# Altium PCB InfraredModule.PcbDoc
Units mm, origin at the board's own origin, x right, y up, seen from the top; angles counter-clockwise.
Board outline 30 x 15 mm, 2 copper layers (Top Layer, Bottom Layer); 36 components, 29 nets, 122 pads, 60 vias.
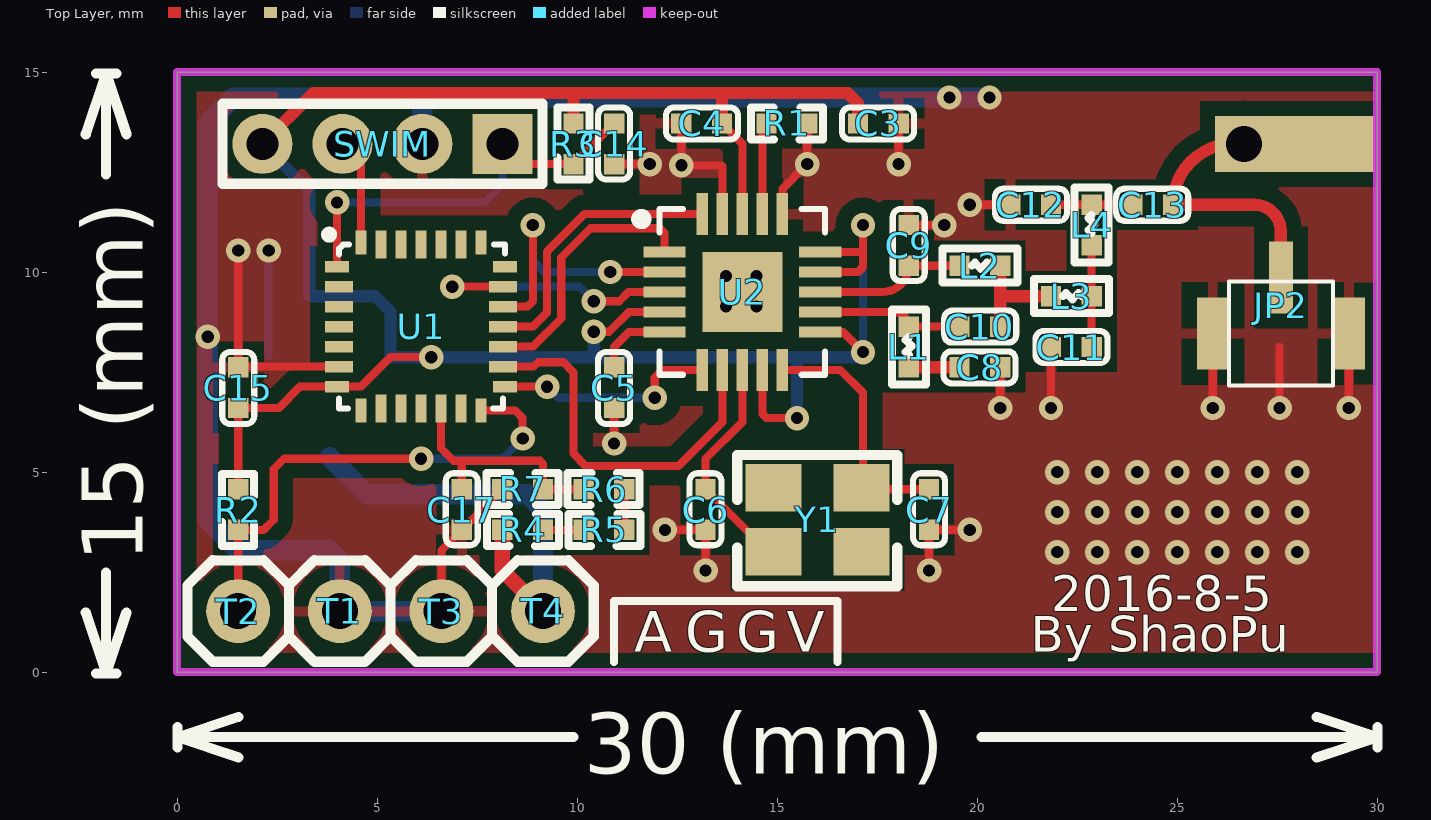
[diagram p0: Top Layer view]
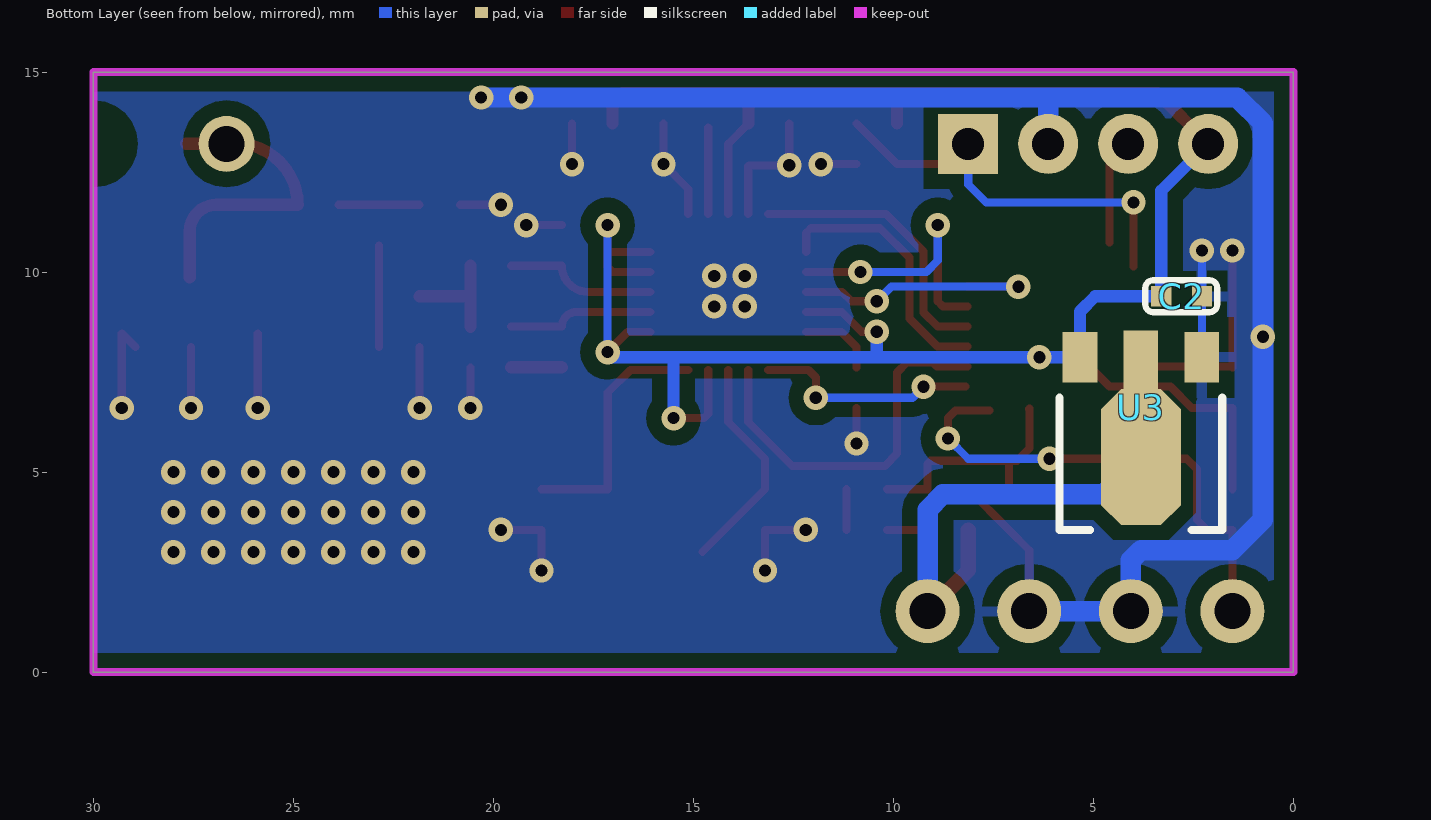
[diagram p1: Bottom Layer view, seen from below]
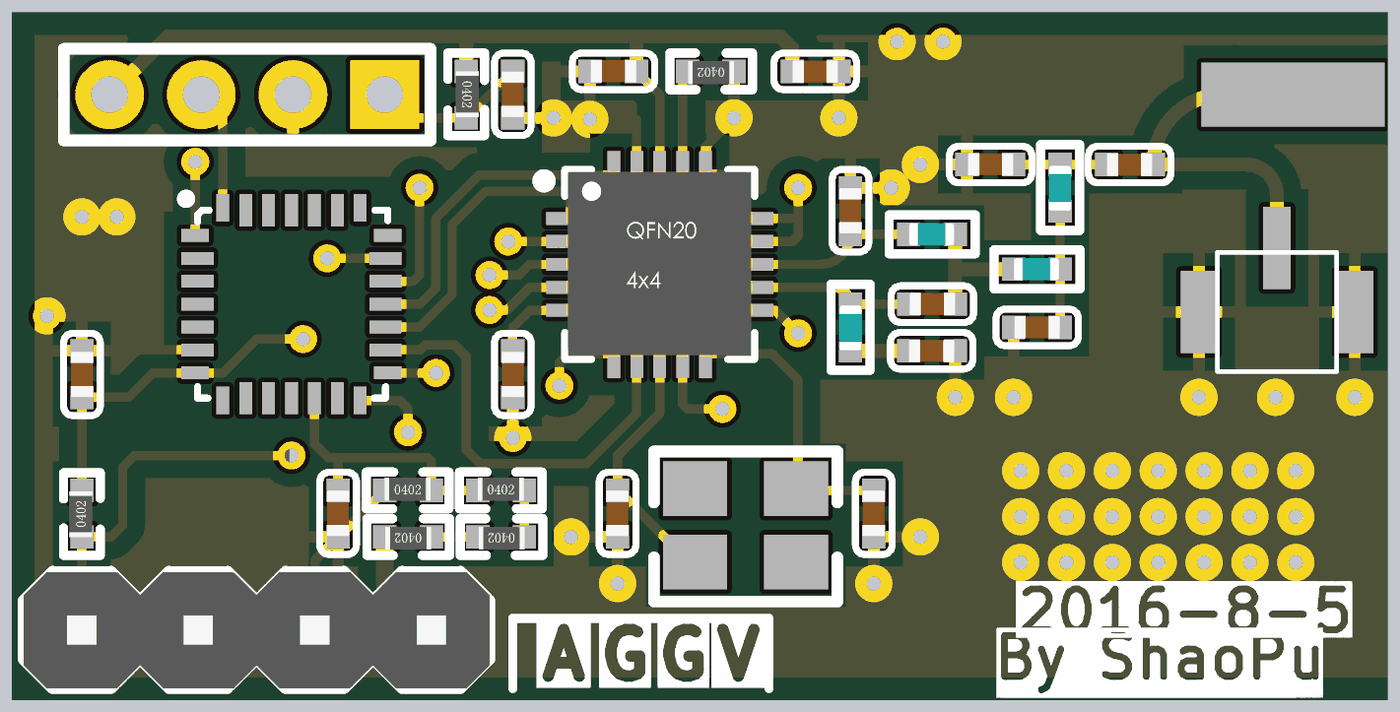
[diagram p2: 3D render of the assembled board from above, using the file's embedded part models]

## Layer stack, top to bottom
Top Layer: signal copper 0.0356
Dielectric: dielectric 0.32, FR-4, Dk 4.8
Bottom Layer: signal copper 0.0356

## Board outline
0,15 30,15 30,0 0,0

## Design rules (kind name [scope] priority, off if disabled: settings)
Clearance "InPolygon TO InPolygon" [IsRegion vs InPolygon] p1: gap=0.762
Clearance Clearance_InPolygon [InPolygon] p2: gap=0.381
Clearance Clearance_IsKeepOut [IsKeepOut] p3: gap=0.152
Clearance Clearance_IsPad [IsPad] p4: gap=0.152
Clearance Clearance_IsVia [IsVia] p5: gap=0.152
Clearance [All] p6: gap=0.152
ComponentClearance [All] p1 off: gap=0.254 collisioncheckmode=3 verticalgap=0.254 showdistances=FALSE
HoleSize [All] p1: absolutevalues=TRUE maxlimit=5.08 minlimit=0.152 maxpercent=80.000 minpercent=20.000
HoleToHoleClearance [All] p1 off: gap=0.254 allowstackedmicrovias=TRUE
MinimumSolderMaskSliver [All] p1 off: minsoldermaskwidth=0.254
PlaneClearance [All] p1: clearance=0.305
PlaneConnect PlaneConnect_IsVia [IsVia] p1: planeconnectstyle=Direct reliefexpansion=0.508 reliefentries=4 reliefconductorwidth=0.254 reliefairgap=0.254
PlaneConnect [All] p2: planeconnectstyle=Relief reliefexpansion=0.508 reliefentries=4 reliefconductorwidth=0.254 reliefairgap=0.254
PolygonConnect PolygonConnect_Direct [InNetClass('去除地')] p1: connectstyle=Direct reliefconductorwidth=0.254 reliefentries=4 polygonreliefangle="90 Angle"
PolygonConnect PolygonConnect_IsVia [IsVia] p2: connectstyle=Direct reliefconductorwidth=0.254 reliefentries=4 polygonreliefangle="90 Angle"
PolygonConnect PolygonConnect_IsThruPin [IsThruPin vs InNet('GND')] p3: connectstyle=Relief reliefconductorwidth=0.254 reliefentries=4 polygonreliefangle="90 Angle"
PolygonConnect PolygonConnect_IsSMTPin [IsSMTPin vs InNet('GND')] p4: connectstyle=Relief reliefconductorwidth=0.254 reliefentries=4 polygonreliefangle="90 Angle"
RoutingVias [All] p1: holewidth=0.305 width=0.61 viastyle="Through Hole" minholewidth=0.305 minwidth=0.61 maxholewidth=5.08 maxwidth=12.7
SilkToSilkClearance [All] p1 off: silktosilkclearance=0.254
SilkscreenOverComponentPads [All] p1 off: minsilkscreentomaskgap=0.254
SolderMaskExpansion [All] p1: expansion=0.102
Width [All] p1: maxlimit=12.7 minlimit=0.152 preferedwidth=0.254
20 further rules are at their usual default settings.

## Components (designator, comment, footprint, x,y, rotation, side; value= is the part's Value field where it differs from the comment)
C2 "104" C0402 3.302,9.398 r180 bottom
C3 "104" C0402 17.018,13.716 r0 top
C4 "104" C0402 13.619,13.716 r180 top
C5 "104" C0402 10.922,6.604 r90 top
C6 "12pF" C0402 13.208,4.572 r270 top
C7 "15pF" C0402 18.796,4.572 r270 top
C8 "220pF" C0402 19.558,7.62 r0 top
C9 "3.9pF" C0402 18.288,11.176 r270 top
C10 "3.9pF" C0402 20.574,8.636 r180 top
C11 "8.2pF" C0402 22.86,8.128 r180 top
C12 "5.6pF" C0402 21.844,11.684 r180 top
C13 "220pF" C0402 23.876,11.684 r0 top
C14 "104" C0402 10.922,13.716 r270 top
C15 "104" C0402 1.524,6.604 r90 top
C17 "104" C0402 7.112,4.572 r270 top
JP2 "IPEX" IPEX 27.589,10.266 r270 top
L1 "27nH" L0402 18.288,7.62 r90 top
L2 "27nH" L0402 19.558,10.16 r0 top
L3 "22nH" L0402 21.844,9.398 r0 top
L4 "27nH" L0402 22.86,10.668 r90 top
R1 "56K" R0402 15.748,13.716 r180 top
R2 "3.3M" R0402 1.524,3.556 r90 top
R3 "10K" R0402 9.906,13.716 r270 top
R4 "3.3M" R0402 9.144,3.556 r180 top
R5 "3.3M" R0402 11.176,3.556 r180 top
R6 "3.3M" R0402 10.16,4.572 r0 top
R7 "3.3M" R0402 8.128,4.572 r0 top
SWIM "" SIP4-2MM 8.128,13.208 r180 top
T1 "" TP 4.064,1.524 r0 top
T2 "" TP 1.524,1.524 r0 top
T3 "" TP 6.604,1.524 r0 top
T4 "" TP 9.144,1.524 r0 top
U1 "STM8L151Gx-UFQFPN28" QFN28-4X4 6.096,8.636 r0 top
U2 "CC1101" QLP-20 14.127,9.504 r0 top
U3 "HT753X" SOT-89 3.81,7.874 r0 bottom
Y1 "26M" XTAL-(3.2X2.5MM)-4P 16.002,3.81 r180 top

## Footprints (in the part's own frame and the unit in brackets; to place one, negate y for a bottom-side part, rotate by r counter-clockwise, add the part's x,y. Pads: shape width x height; smd on the part's side, far side on the other; paste and mask are expansions set on the pad)
C0402 [mil]
  rect 20x20 smd: 1(0,0) 2(40,0)
  silkscreen extent -16,-16 55,16, body extent 0,-10 39,10, height 20
IPEX [mm]
  rect 1.8x0.8 smd: 0(1.8,1.7) 0(1.8,-1.7)
  rect 1.8x0.6 smd: 1(0.4,0)
  silkscreen extent 0.5,-1.3 3.1,1.3
L0402 [mil]
  rect 20x20 smd: 1(0,0) 2(40,0)
  silkscreen extent -17,-17 57,17, body extent 0,-10 39,10, height 24
QFN28-4X4 [mm] "UFQFPN28"
  rect 0.6x0.28 smd: 1(-2.1,1.5) 7(-2.1,-1.5) 15(2.1,-1.5) 21(2.1,1.5)
  rect 0.7x0.28 smd: 2(-2.05,1) 3(-2.05,0.5) 4(-2.05,0) 5(-2.05,-0.5) 6(-2.05,-1) 16(2.05,-1) 17(2.05,-0.5) 18(2.05,0) 19(2.05,0.5) 20(2.05,1)
  rect 0.28x0.6 smd: 8(-1.5,-2.1) 14(1.5,-2.1) 22(1.5,2.1) 28(-1.5,2.1)
  rect 0.28x0.7 smd: 9(-1,-2.05) 10(-0.5,-2.05) 11(0,-2.05) 12(0.5,-2.05) 13(1,-2.05) 23(1,2.05) 24(0.5,2.05) 25(0,2.05) 26(-0.5,2.05) 27(-1,2.05)
  silkscreen extent -2.35,-2.05 2.1,2.35
QLP-20 [mm]
  rect 1.054x0.28 smd: 1(-1.949,1) 2(-1.949,0.5) 3(-1.949,0) 4(-1.949,-0.5) 5(-1.949,-1) 11(1.949,-1) 12(1.949,-0.5) 13(1.949,0) 14(1.949,0.5) 15(1.949,1)
  rect 0.28x1.054 smd: 6(-1,-1.949) 7(-0.5,-1.949) 8(0,-1.949) 9(0.5,-1.949) 10(1,-1.949) 16(1,1.949) 17(0.5,1.949) 18(0,1.949) 19(-0.5,1.949) 20(-1,1.949)
  rect 2x2 smd paste-1.194 mask-1.194: 21(0,-0.001)
  silkscreen extent -2.65,-2.07 2.07,2.07, body extent -2.02,-2 2.02,2.04, height 0.8
R0402 [mil]
  rect 20x20 smd: 1(0,0) 2(40,0)
  silkscreen extent -16,-16 55,16, body extent 0,-9 39,11, height 14
SIP4-2MM [mm]
  rect 1.5x1.5 hole 0.8: 1(0,0)
  round 1.5 hole 0.8: 2(2,0) 3(4,0) 4(6,0)
  silkscreen extent -1,-1 7,1
SOT-89 [mil]
  rect 34x50 smd: 1(-60,0) 3(60,0)
  rect 34x100 smd: 2(0,23.62)
  oct 78.74x133.86 smd: 2(0,98.43)
  silkscreen extent -80,40 80,170, body extent -89,-15 88,154, height 59
TP [mm]
  round 1.6 hole 0.9: 1(0,0)
  silkscreen extent -1.27,-1.26 1.27,1.28, body extent -1.27,-1.27 1.27,1.27, height 8.54
XTAL-(3.2X2.5MM)-4P [mm]
  rect 1.397x1.194 smd: 1(-1.1,-0.8) 2(1.1,0.8) 3(1.1,-0.8) 4(-1.1,0.8)
  silkscreen extent -2,-1.61 2,1.66

## Part data
C2 C3 C4 C5 C6 C7 C8 C9 C10 C11 C12 C13 C14 C15 C17: library part CAP, "无极性电容"
L1 L2 L3 L4: library part INDUCTOR, "电感"
R1 R2 R3 R4 R5 R6 R7: library part RES2, "贴片电阻"
SWIM: library part "HEADER 4X1"
T1 T2 T3 T4: library part TP, "测试点/触摸点"
U1: "STM8L单片机28引脚,封装UFQFPN28"
U2: "RF芯片 TI CC系列"
U3: "合泰稳压芯片HT系列"
Y1: library part XTAL, "晶振"

## Free pads (board coordinates)
  round 1.4 hole 0.9: 0(26.67,13.208)
  rect 4x1.4 smd: 0(27.94,13.208)

## Via types
v1: diameter 0.61, hole 0.305, Top Layer to Bottom Layer, 60 vias

## Nets (pads, with @x,y where several pads share a name; then routed paths per layer and width w, separated by ;. In a path a pad name is that pad's centre, name@x,y a point inside that pad or via, vN(x,y) a via of type N, cw(c..) or ccw(c..) an arc to the next point about the centre after c; other vN are vias at no path point)
+3V: C2.1 C3.1 C4.1 C15.1 R2.2 R3.1 SWIM.4 U1.7 U2.4 U2.9 U2.11 U2.14 U2.15 U2.18 U3.3 | length 63.5
  Top Layer w0.203: R2.2 C15.1 2.54,6.604 3.072,7.136 U1.7 ; 4.395,7.136 U1.7 ; v1(6.35,7.874) 5.334,7.874 ; v1(10.414,8.509) 10.795,8.509 11.29,9.004 U2.4 ; C4.1 14.127,13.208 U2.18 ; U2.9 14.627,6.455 14.732,6.35 v1(15.494,6.35) ; U2.11 16.642,8.504 v1(17.145,8.001) ; U2.14 17.018,10.004 17.145,10.131 17.145,10.541 ; U2.15 17.018,10.504 ; 17.108,10.504 17.145,10.541 ; v1(17.145,11.176) 17.145,10.541 ; U1.7 4.596,7.136 ; U1.7 4.596,7.136 ; U1.7 4.596,7.136 ; 4.596,7.136 4.826,7.366 ; 4.596,7.136 4.826,7.366 ; 4.596,7.136 5.334,7.874 ; 4.826,7.366 5.334,7.874
  Top Layer w0.305: SWIM.4 3.398,14.478 9.906,14.478 ; R3.1 9.906,14.478 ; C4.1 13.619,14.381 13.716,14.478 ; C3.1 17.018,14.224 16.764,14.478 13.716,14.478 ; 9.906,14.478 13.716,14.478
  Bottom Layer w0.203: v1(17.145,8.001) v1(17.145,11.176)
  Bottom Layer w0.305: SWIM.4 3.302,12.034 C2.1 4.953,9.398 5.334,9.017 U3.3 10.414,7.874 ; v1(10.414,8.509) 10.414,7.874 ; v1(15.494,6.35) 15.494,7.874 ; v1@17.018,7.874 15.494,7.874 ; 10.414,7.874 15.494,7.874
+12V: R4.2 T4.1 U3.2 | length 10.9
  Top Layer w0.381: R4.2 8.128,2.54 T4.1
  Bottom Layer w0.508: U3.2@3.81,5.374 4.739,4.445 8.763,4.445 9.144,4.064 T4.1
CSN: U1.16 U2.7 | length 9.5
  Top Layer w0.203: U1.16 8.906,7.636 9.017,7.747 9.652,7.747 9.906,7.493 9.906,5.461 10.211,5.156 12.527,5.156 13.627,6.256 U2.7
GDO0: U1.15 U2.6 | length 5.6
  Top Layer w0.203: U1.15 v1(9.247,7.136) ; v1(11.938,6.858) 11.938,7.366 12.126,7.554 U2.6
  Bottom Layer w0.203: v1(9.247,7.136) 9.525,6.858 v1(11.938,6.858)
GDO2: U1.20 U2.3 | length 9.6
  Top Layer w0.203: v1(6.874,9.636) U1.20 ; v1(10.414,9.271) 11.049,9.271 11.282,9.504 U2.3
  Bottom Layer w0.203: 9.668,9.636 v1(6.874,9.636) 10.049,9.636 v1(10.414,9.271)
GND: C2.2 C3.2 C4.2 C5.1 C6.2 C7.2 C8.2 C9.1 C11.2 C12.2 C14.2 C15.2 C17.2 JP2.0 R1.1 R7.1 SWIM.2 T1.1 T3.1 U1.6 U2.16 U2.19 U2.21 U3.1 | length 73.1
  Top Layer w0.203: C15.2 v1(1.524,10.541) ; C15.2@1.54,7.636 U1.6 ; T3.1 6.604,3.048 C17.2 R7.1 R7.1@8.026,4.47 ; v1(10.922,5.715) C5.1 ; C14.2 v1(11.811,12.7) ; v1(12.192,3.556) C6.2 v1(13.208,2.54) ; C4.2 v1(12.603,12.67) 13.605,12.67 13.627,12.648 U2.19 ; U2.16 15.127,12.079 v1(15.748,12.7) R1.1 ; v1(18.034,12.7) C3.2 ; C9.1 v1(19.177,11.176) ; v1(18.796,2.54) C7.2 v1(19.812,3.556) ; v1(19.812,11.684) C12.2 ; v1(20.574,6.604) C8.2 ; v1(21.844,6.604) C11.2 ; v1@25.889,6.623 JP2.0@25.889,8.466 ; v1(27.559,6.604) 27.559,8.128 ; JP2.0@28.951,8.128 29.289,8.466 v1(29.289,6.604)
  Bottom Layer w0.203: U3.1 C2.2 v1(2.286,10.541)
  Bottom Layer w0.508: SWIM.2 6.128,14.332 6.096,14.364 ; T3.1 T1.1 4.064,2.794 3.81,3.048 1.524,3.048 0.762,3.81 0.762,13.729 1.397,14.364 6.096,14.364 ; v1(20.307,14.364) v1(19.304,14.364) 6.096,14.364
  other v1: 22,3 23,3 24,3 25,3 26,3 27,3 28,3 22,4 23,4 24,4 25,4 26,4 27,4 28,4 22,5 23,5 24,5 25,5 26,5 27,5 28,5 25.889,6.604 0.762,8.382 13.716,9.144 14.478,9.144 13.716,9.906 14.478,9.906
KEY: R2.1 T2.1 U1.14 | length 13.1
  Top Layer w0.203: T2.1 R2.1 2.159,3.556 2.413,3.81 2.413,5.08 2.667,5.334 v1(6.096,5.334) ; 8.196,6.536 U1.14 8.45,6.536 8.636,6.35 v1(8.636,5.842)
  Bottom Layer w0.203: v1(6.096,5.334) 8.128,5.334 v1(8.636,5.842)
LED: U1.13
MISO: U1.19 U2.2 | length 7
  Top Layer w0.203: U1.19 8.755,9.136 8.89,9.271 v1(8.89,11.176) ; v1(10.824,10.004) U2.2
  Bottom Layer w0.203: v1(8.89,11.176) 8.89,10.287 9.173,10.004 v1(10.824,10.004)
MOSI: U1.18 U2.20 | length 7
  Top Layer w0.203: U1.18 8.89,8.636 9.246,8.992 9.246,10.516 10.183,11.453 U2.20
NetC5_2: C5.2 U2.5 | length 1.9
  Top Layer w0.203: C5.2 10.922,8.128 11.298,8.504 U2.5
NetC8_1: C8.1 L1.1 | length 1.3
  Top Layer w0.305: L1.1 C8.1
NetC10_1: C10.1 L2.2 L3.1 | length 2.8
  Top Layer w0.305: C10.1 20.574,9.398 ; L2.2 20.574,9.398 ; L3.1 20.574,9.398
NetC11_1: C11.1 L3.2 L4.1 | length 2.5
  Top Layer w0.203: C11.1 L3.2 L4.1
NetC12_1: C12.1 C13.1 L4.2 | length 2
  Top Layer w0.203: C12.1 L4.2 C13.1
NetR1_2: R1.2 U2.17 | length 2.2
  Top Layer w0.203: U2.17 R1.2@14.627,13.611
NetR4_1: R4.1 R5.2 | length 1
  Top Layer w0.203: R4.1 R5.2
NetR5_1: R5.1 R6.2 | length 1
  Top Layer w0.203: R5.1 R6.2
PB0: C17.1 R6.1 R7.2 U1.12 | length 6.1
  Top Layer w0.203: U1.12@6.604,6.578 U1.12 6.596,5.596 6.909,5.283 7.112,5.283 ; C17.1 7.112,5.283 ; R6.1 R7.2 9.144,5.207 9.068,5.283 7.112,5.283
RF_N: C9.2 L2.1 U2.13 | length 4.5
  Top Layer w0.203: 16.704,9.504 U2.13 17.632,9.504 ccw(c17.632,10.16) C9.2 L2.1
RF_P: C10.2 L1.2 U2.12 | length 3.7
  Top Layer w0.203: U2.12 17.92,9.004 cw(c17.92,8.636) L1.2 C10.2
RFOUT: C13.2 JP2.1 pad.0 | length 8.9
  Top Layer w0.305: 25.908,11.684 C13.2 ; JP2.1 27.589,11.019 ccw(c26.924,11.019) 26.924,11.684 C13.2 ; pad.0@27.686,13.208 26.416,13.208 ccw(c26.416,11.684) C13.2
RST: C14.1 R3.2 SWIM.1 U1.1 | length 9.6
  Top Layer w0.203: U1.1 v1(3.996,11.743) ; SWIM.1@8.636,12.7 R3.2 C14.1
  Bottom Layer w0.203: v1(3.996,11.743) 7.679,11.743 8.128,12.192 SWIM.1
RX: U1.23
SCK: U1.17 U2.1 | length 6.7
  Top Layer w0.203: U1.17 8.893,8.136 9.601,8.844 9.601,10.368 10.331,11.098 12.065,11.098 12.178,10.985 U2.1
SWIM: SWIM.3 U1.28 | length 2.7
  Top Layer w0.203: SWIM.3 4.596,12.74 U1.28
TX: U1.24
XOSC1: C6.1 U2.8 Y1.2 | length 5.6
  Top Layer w0.203: U2.8 14.127,6.253 13.208,5.334 C6.1 Y1.2@14.77,3.01
XOSC2: C7.1 U2.10 Y1.1 | length 6.3
  Top Layer w0.203: U2.10 16.576,7.554 17.14,6.99 17.14,4.61 17.14,4.572 C7.1
pads on no net: U1.2 U1.3 U1.4 U1.5 U1.8 U1.9 U1.10 U1.11 U1.21 U1.22 U1.25 U1.26 U1.27 Y1.3 Y1.4

## Polygon pours and split planes (outlines as drawn)
GND on Top Layer "Top Layer-No Net" (solid, remove dead copper, pour order 1000): 0,0 0,15 30,15 30,0
GND on Bottom Layer "Top Layer-No Net" (solid, remove dead copper, pour order 1001): 0,0 0,15 30,15 30,0

## Keep-outs
Keep-Out Layer:
  the board outline again, w0.2

## Silkscreen, mask and mechanical layers (free items; w line width, h text height)
Top Overlay:
  lines w0.2: 10.922,0.254 10.922,1.778 16.51,1.778 16.51,0.254
  lines w0.254: -2.286,1.493 -1.778,-0.031 ; -2.286,13.445 -1.778,14.969 ; -2.032,-0.031 -1.524,-0.031 ; -2.032,14.969 -1.524,14.969 ; -1.778,2.492 -1.778,-0.031 ; -1.778,12.446 -1.778,14.969 ; -1.27,1.493 -1.778,-0.031 ; -1.27,13.445 -1.778,14.969 ; 0.01,-1.88 0.01,-1.372 ; 1.534,-2.134 0.01,-1.626 ; 1.534,-1.118 0.01,-1.626 ; 9.906,-1.626 0.01,-1.626 ; 20.114,-1.626 30.01,-1.626 ; 28.486,-2.134 30.01,-1.626 ; 28.486,-1.118 30.01,-1.626 ; 30.01,-1.88 30.01,-1.372
  text "15 (mm)" at -0.864,2.746 h1.52 r90
  text "2016-8-5" at 21.844,1.524 h0.89
  text "A" at 11.43,0.508 h1.02
  text "G" at 12.7,0.508 h1.02
  text "G" at 13.97,0.508 h1.02
  text "V" at 15.24,0.508 h1.02
  text "By ShaoPu" at 21.336,0.508 h0.89
  text "30 (mm)" at 10.16,-2.54 h1.52